# KiCad board ikafly_rev0a_p.kicad_pcb (continued)
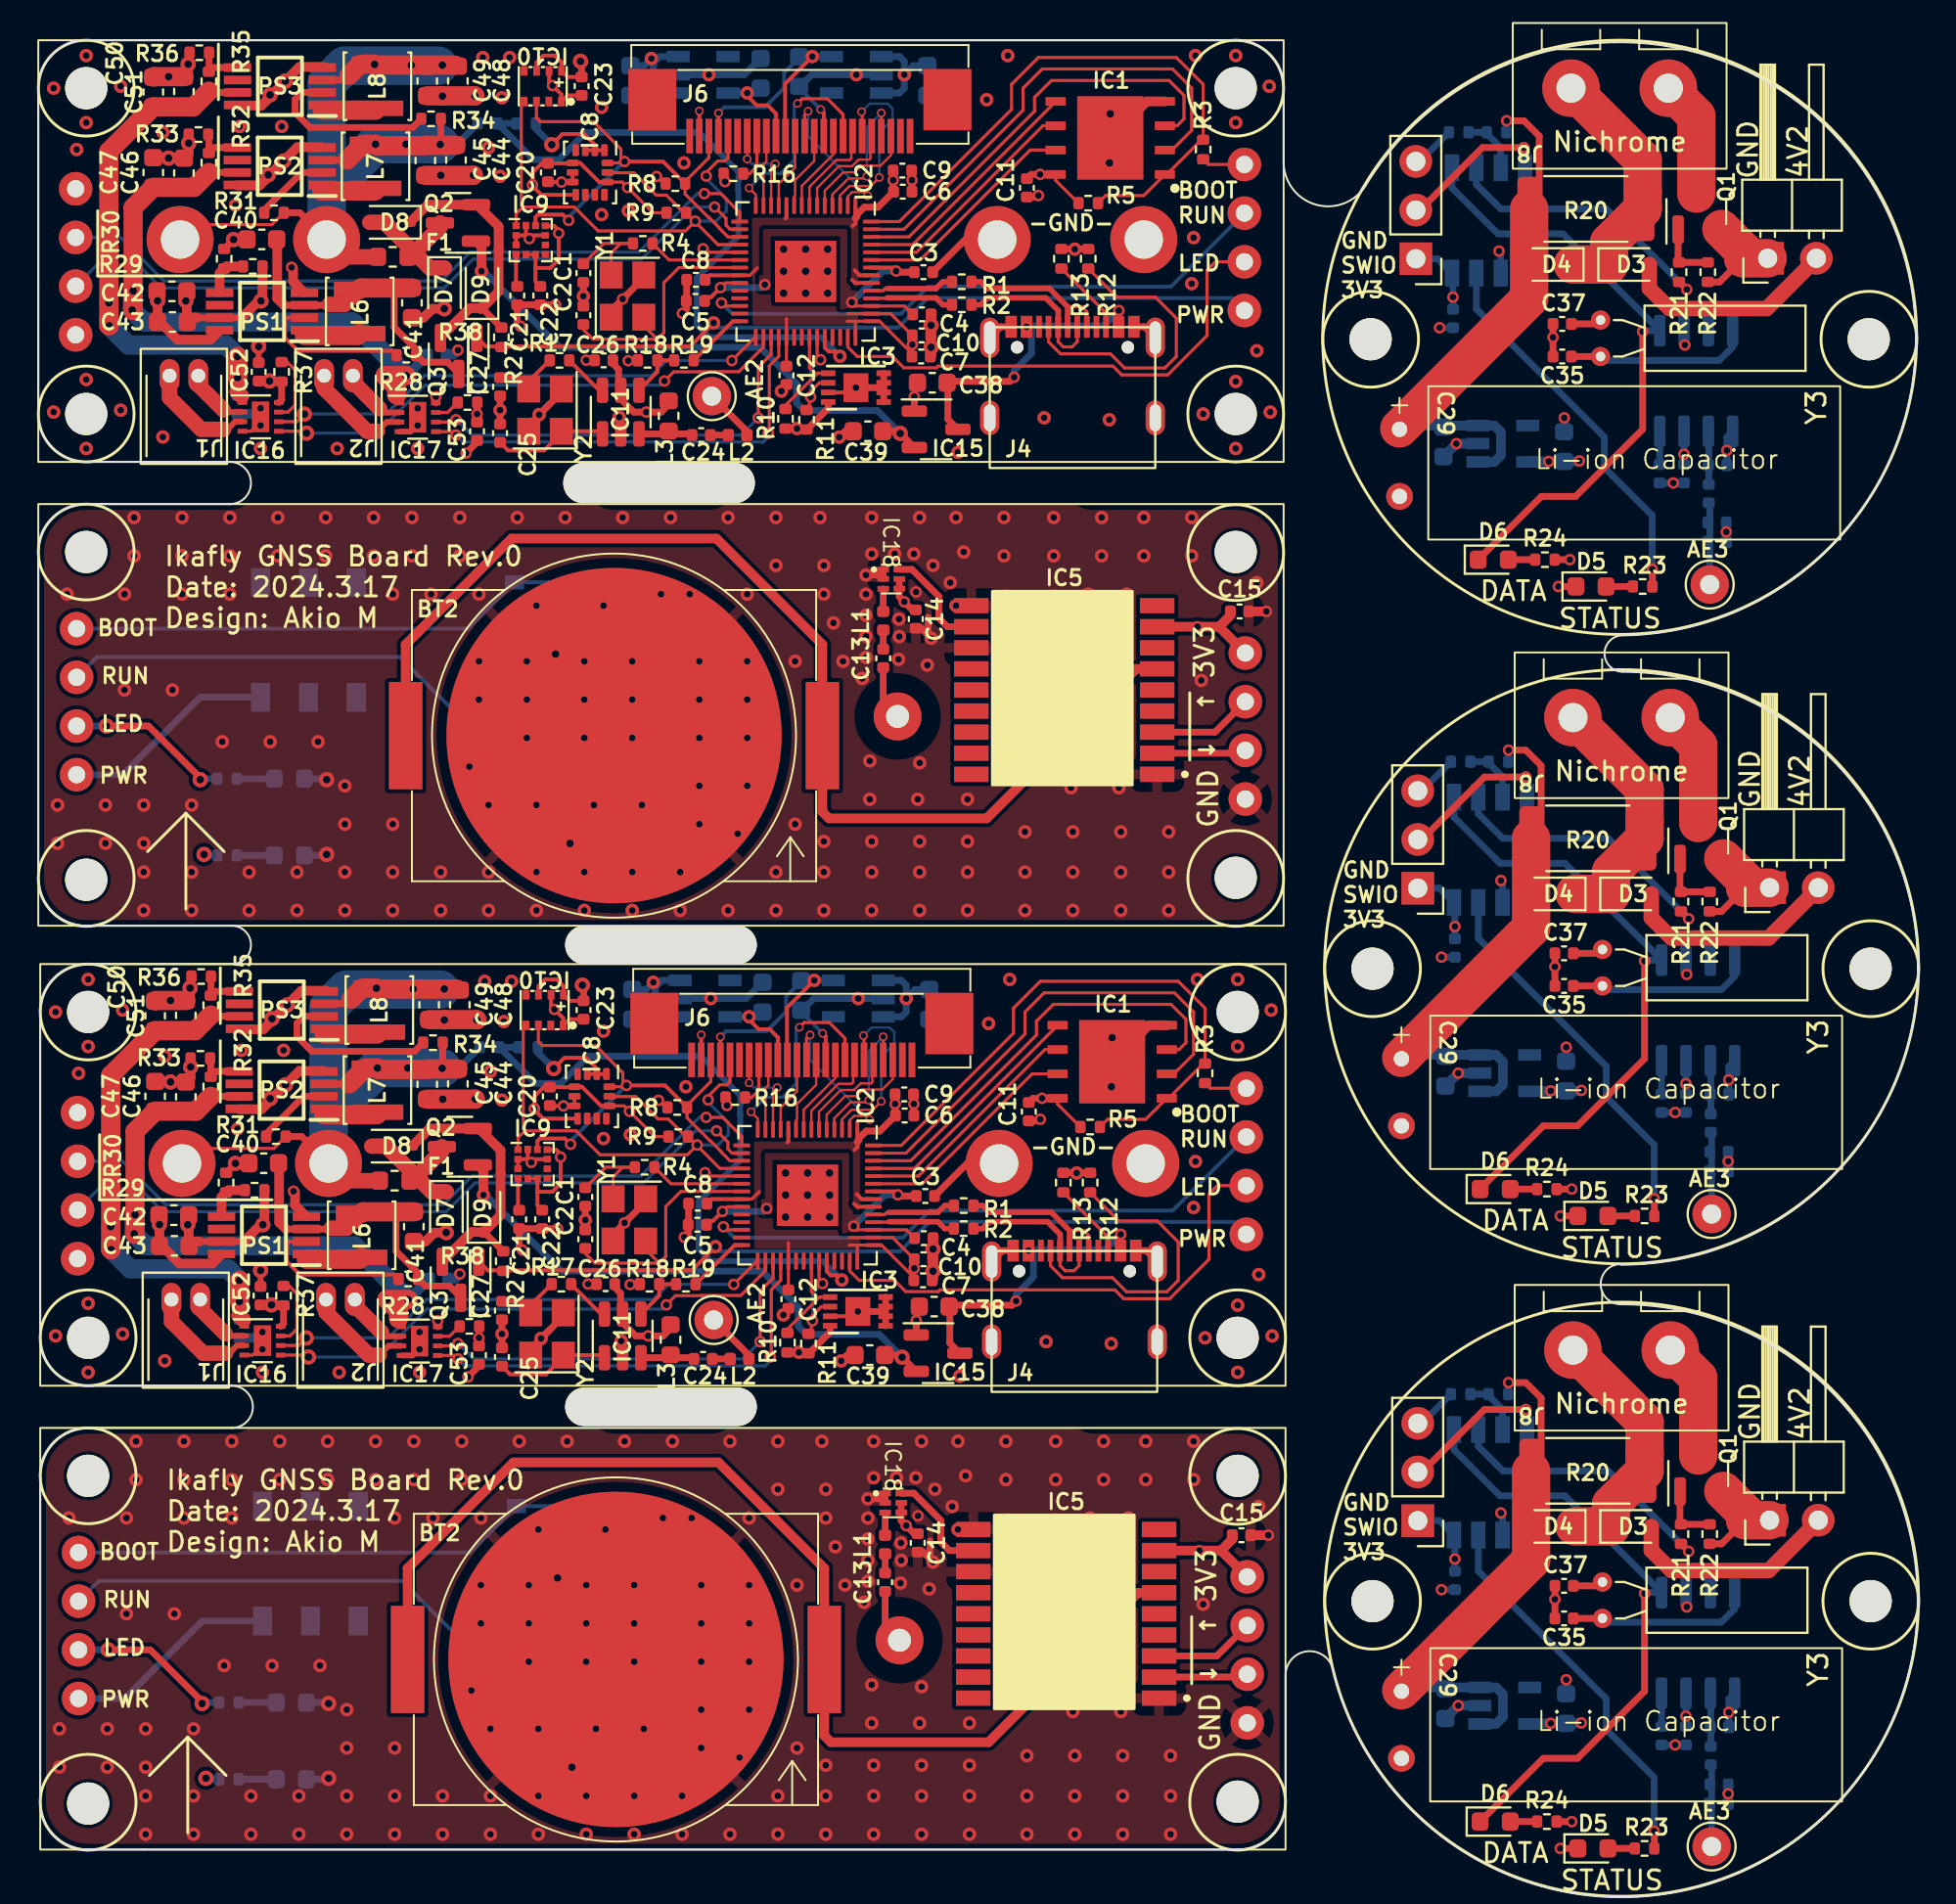
[diagram p0: board, top side]
## Routing (per net, layer and track width the routed paths; a pad name or vN(x,y) marks a point on that pad's centre or on a via; arc(x,y) is an arc through that point) (continued)
/Ikafly_Separation_Board/3V3: length 28
  Top w0.35: R24.1 v3(80.04,3.94) ; R24#2.1 v3(80.04,36.94) ; R24#3.1 v3(79.94,69.78)
  Bottom w0.35: 86,41.93 86,43.63 IC13.3 ; IC13#3.3 85.9,76.47 85.9,74.77 ; C28#2.1 73.94,51.84 IC12.4 73.14,52.64 J9#2.1 ; J9.1 73.04,85.48 IC12#3.4 73.84,84.68 C28#3.1 ; 86,8.93 86,10.63 IC13#2.3 ; C28.1 73.94,18.84 IC12#2.4 73.14,19.64 J9#3.1
  Bottom w0.5: v3(80.54,9.09) 80.51,9.07 C36#2.1 77.86,9.07 IC14#3.5 ; IC14.5 77.76,74.91 C36.1 80.41,74.91 v3(80.44,74.93) ; IC14#2.5 77.86,42.07 C36#3.1 80.51,42.07 v3(80.54,42.09)
  vias: v3(73.84,83.48) v3(73.94,50.64) v3(73.94,17.64) v3(78.84,74.91) v3(78.94,42.07) v3(78.94,9.07) v3(85.9,75.28) v3(86,42.44) v3(86,9.44)
/Ikafly_Separation_Board/4V2: length 34.5
  Top w0.8: J7#3.2 92.8,85.47 90.21,82.88 85.14,82.88 84.09,83.93 D3.2 ; J7#2.2 92.91,19.63 90.31,17.04 85.24,17.04 84.19,18.09 D3#2.2 ; D3#3.2 84.19,51.09 85.24,50.04 90.31,50.04 92.91,52.63 J7.2
/VBAT: length 107.9
  Top w0.16: BT1#2.1 8.28,39.06 12.29,39.06 R31.1 ; R31#2.1 12.19,87.26 8.18,87.26 BT1.1
  Top w0.35: R34.1 21.01,91.42 ; PS3#2.3 16.08,94.81 ; 16.14,90.63 PS2.3 ; 16.24,42.43 PS2#2.3 ; R31#2.1 13.65,87.88 BT1.1 ; PS3.3 16.18,46.61 ; R31.1 13.75,39.68 BT1#2.1 ; R34#2.1 21.11,43.22
  Top w0.8: BT1.1 15.95,85.58 F1.1 ; F1#2.1 16.05,37.38 BT1#2.1
  Top w1: 16.32,46.85 16.88,47.41 ; 16.91,95.63 17.55,95.63 ; 17.06,43.26 v2(17.7,43.26) 17.77,43.18 C45#2.1 20.32,43.21 21.9,43.21 ; 16.22,95.05 16.77,95.61 ; 16.96,91.46 v2(17.6,91.46) 17.67,91.38 C45.1 20.22,91.41 C44.1 ; 16.13,90.63 16.83,91.34 ; 17.01,47.43 17.65,47.43 ; 21.85,47.38 17.7,47.38 ; 21.75,95.58 17.6,95.58 ; 16.23,42.43 16.94,43.14
  Top w2: BT1#2.1 15.15,37.77 ; BT1.1 15.05,85.97
  Bottom w0.35: 21.06,43.26 21.95,43.26 R6#2.1 ; R6.1 21.85,91.46 20.96,91.46
  Bottom w2: 21.06,43.26 v2(17.7,43.26) 15.15,40.71 BT1#2.1 15.15,46.42 16.08,47.35 20.98,47.35 ; 20.88,95.55 15.98,95.55 15.05,94.62 BT1.1 15.05,88.91 v2(17.6,91.46) 20.96,91.46
  vias: v2(17.55,95.62) v2(17.65,47.42) v2(19.19,91.46) v2(19.29,43.26) v2(19.47,95.58) v2(19.57,47.38) v2(20.98,91.44) v2(21.09,95.58) v2(21.08,43.24) v2(21.19,47.38)
GND: length 317.7
  Top w0.16: v3(34.8,37.8) 34.98,37.62 IC2#2.19 ; IC16#2.4 11.19,28.28 11.7,28.8 IC16#2.9 ; IC2.19 34.88,85.82 v3(34.7,86) ; IC16.9 11.6,77 11.08,76.48 IC16.4
  Top w0.2: v2(26.9,43.23) 27.46,43.79 28.59,43.79 29.15,43.23 IC8.2 ; 25.56,38.5 IC9.2 IC9.3 ; 25.56,38.5 25.72,38.5 ; 25.56,38.5 25.55,38.51 IC9.12 ; 25.72,38.5 IC9.9 ; 25.72,38.5 25.73,38.49 v3(25.73,38.33) ; v4(40.84,93.27) 41,93.11 J6#2.15 ; v4(34.5,93.19) J6#2.2 ; IC3#2.7 42.42,78.51 v3(42.67,78.76) ; 13.4,36.79 13.36,36.79 v3(13.32,36.83) ; 25.62,86.7 IC9#2.9 ; 25.62,86.7 25.46,86.7 ; 25.62,86.7 25.63,86.69 v3(25.63,86.53) ; v4(34.6,44.99) J6.2 ; IC9#2.12 25.45,86.71 25.46,86.7 ; C23#2.2 27.72,45.81 IC10#2.1 27.4,45.86 26.76,46.5 IC10#2.7 ; 25.46,86.7 IC9#2.2 IC9#2.3 ; IC8.3 IC8.1 ; C20#2.1 26.62,89.48 IC8#2.7 IC8#2.6 ; C20.1 26.72,41.28 IC8.7 IC8.6 ; v3(13.22,85.03) 13.26,84.99 13.3,84.99 ; 28.36,94.01 27.62,94.01 IC10.1 27.3,94.06 26.66,94.7 IC10.7 ; J6.15 41.1,44.91 v4(40.94,45.07) ; IC8#2.3 IC8#2.1 ; IC3.7 42.52,30.31 v3(42.77,30.56) ; v2(26.8,91.43) 27.36,91.99 28.49,91.99 29.05,91.43 IC8#2.2
  Top w0.3: IC17#2.9 19.9,28.64 19.52,28.26 IC17#2.4 ; IC17.4 19.42,76.46 19.8,76.84 IC17.9 ; C52.2 v2(11.6,32.7) ; C52#2.2 v2(11.5,80.9)
  Top w0.35: v1(30.42,29.01) 30.5,28.94 IC11#2.2 ; IC15#2.1 v3(45.72,78.28) 45.72,78.88 45.92,79.08 ; R22.2 87.85,18.43 89.09,19.67 ; C9#2.2 45.58,89.6 v3(45.6,89.58) C6#2.2 ; R22#3.2 87.75,84.27 88.99,85.51 ; v1(26.24,29.15) 26.69,29.59 ; 26.69,29.59 27.4,30.31 Y2.2 ; 26.69,29.59 25.7,28.61 Y2.4 ; C1.1 C2#2.1 ; 30.8,35.38 31.7,36.28 Y1.4 ; 30.8,35.38 30.71,35.29 30.71,35.24 ; 30.8,35.38 30,34.58 Y1.2 ; J4#2.S 57.73,81.93 J4#2.12 ; v3(45.91,19.89) 45.9,19.88 45.9,19.88 ; v3(33.72,34.43) 33.92,34.63 C5#2.2 33.94,35.1 C8.2 ; D5.1 v3(79.44,2.54) ; IC3#2.3 43.88,78.76 v3(42.67,78.76) ; C35#3.2 C37#3.2 ; J4#2.1 50.23,81.93 J4#2.S ; R30#2.2 v2(10.29,38.28) 11.02,38.28 ; IC11.2 30.4,77.14 v1(30.32,77.21) ; 46.02,30.88 45.82,30.68 v3(45.82,30.08) IC15.1 ; Y2#2.2 27.3,78.51 26.59,77.79 ; v3(30.89,31.96) 30.91,31.98 R18#2.2 ; v3(28.7,31.99) 28.71,31.98 C26#2.2 ; 46.45,66.78 46.45,65.83 v1(46.6,65.68) 46.08,66.2 C14.2 ; R13.2 54.09,85.99 v1(54.1,85.98) 54.11,85.99 R12#2.2 ; C35#2.2 C37.2 ; 35.74,89.95 35.74,89.61 v3(35.84,89.5) ; 89.09,52.67 87.85,51.43 R22#2.2 ; v1(48,19.18) IC5#2.10 ; v1(41.91,27.98) 42.21,28.28 C39.2 ; C1#2.1 C2.1 ; v1(38.89,30.37) 39.15,30.64 C12#2.2 ; R18.2 30.81,80.18 v3(30.79,80.16) ; BT1#2.2 48.48,38.28 C3#2.2 ; v3(27.1,34.87) 27.09,34.88 C22.2 C21.1 25.1,33.93 v3(25.27,33.76) ; 45.8,68.08 45.8,68.08 v3(45.81,68.09) ; C8#2.2 33.84,83.3 C5.2 33.82,82.83 v3(33.62,82.63) ; Y1#2.4 31.6,84.48 30.7,83.58 ; 26.59,77.79 25.6,76.81 Y2#2.4 ; 26.59,77.79 v1(26.14,77.35) ; 30.7,83.58 29.9,82.78 Y1#2.2 ; 30.7,83.58 30.61,83.49 30.61,83.44 ; 46.55,18.58 46.55,17.63 v1(46.7,17.48) 46.18,18 C14#2.2 ; C51#2.2 7.89,95.27 R36.2 ; C11.2 52.22,40.5 v3(52.3,40.58) ; C12.2 39.05,78.84 v1(38.79,78.57) ; IC3.1 IC3.4 ; C53#2.2 22.9,75.91 v3(22.33,75.34) ; 35.84,41.75 35.84,41.41 v3(35.94,41.3) ; C35.2 C37#2.2 ; J4.S 50.33,33.73 J4.1 ; v3(22.43,27.14) 23,27.71 C53.2 ; 10.92,86.48 v2(10.19,86.48) R30.2 ; C25.2 C27#2.2 ; R12.2 54.21,37.79 v1(54.2,37.78) 54.19,37.79 R13#2.2 ; R36#2.2 7.99,47.07 C51.2 ; v1(43.2,68.98) 43.81,68.98 IC18.1 44.1,68.81 ; IC3#2.1 IC3#2.4 ; v3(28.6,80.19) 28.61,80.18 C26.2 ; J4.12 57.83,33.73 J4.S ; v3(25.17,81.96) 25,82.13 C21#2.1 C22#2.2 26.99,83.08 v3(27,83.07) ; BT1.2 48.38,86.48 C3.2 ; IC3.3 43.97,30.56 v3(42.77,30.56) ; D5#3.1 v3(79.34,68.38) ; C11#2.2 52.12,88.7 v3(52.2,88.78) ; C25#2.2 C27.2 ; v1(47.9,67.38) IC5.10 ; C6.2 v3(45.7,41.38) 45.68,41.4 C9.2 ; v1(43.3,20.78) 43.91,20.78 IC18#2.1 44.2,20.61 ; D5#2.1 v3(79.44,35.54) ; C39#2.2 42.11,76.48 v1(41.8,76.18) ; v2(6.32,35.09) 6.32,35.31 ; v2(6.22,83.29) 6.22,83.51
  Top w0.5: C4#2.2 46.6,80.42 C7#2.2 ; R33.2 7.95,42.78 C46#2.2 v2(6.9,42.53) 6.88,42.56 C47#2.2 ; v2(56.05,44.84) IC1#2.9 57.95,45.49 IC1#2.4 ; 10.49,41.11 11.65,41.11 12.1,41.55 v2(12.1,41.66) 12.18,41.66 v2(12.9,42.38) 13.62,43.11 14.91,43.11 ; 13.72,47.28 v2(12.99,46.55) 12.27,45.83 ; 14.81,91.31 13.52,91.31 v2(12.8,90.58) 12.08,89.86 v2(12,89.86) 12,89.75 11.55,89.31 10.39,89.31 ; 13.62,95.48 v2(12.89,94.75) 12.17,94.03 ; 9.56,33.53 9.09,33.06 7.37,33.06 6.45,33.98 C43#2.2 6.32,35.56 ; C7.2 46.7,32.22 C4.2 ; 10.58,45.28 11.75,45.28 12.19,45.72 ; C41#2.2 20.2,34.21 20.67,34.67 v2(21.29,34.67) ; 13.4,36.79 13.4,36.09 13.96,35.53 13.99,35.53 ; R33#2.2 7.85,90.98 C46.2 v2(6.8,90.73) 6.77,90.76 C47.2 ; 13.3,84.99 13.3,84.29 13.86,83.73 13.89,83.73 ; v2(55.95,93.04) IC1.9 57.85,93.69 IC1.4 ; v2(21.19,82.87) 20.57,82.87 20.1,82.41 19.5,82.41 ; C15.2 v3(64.1,67.08) ; C15#2.2 v3(64.2,18.88) ; 10.48,93.48 11.65,93.48 12.09,93.92 ; 13.74,47.29 15.02,47.29 ; 6.22,83.76 C43.2 6.35,82.18 7.27,81.26 8.99,81.26 9.46,81.73 ; 13.64,95.49 14.92,95.49
  Top w1: C49.2 21.19,45.78 ; 21.19,45.78 21.19,45.77 v2(21.19,45.76) ; 21.19,45.78 22.88,45.78 v2(22.89,45.77) ; 21.09,93.98 21.09,93.97 v2(21.09,93.96) ; 21.09,93.98 22.78,93.98 v2(22.79,93.97) ; 21.09,93.98 C49#2.2 ; v2(22.71,89.84) 22.7,89.83 C45.2 ; C51.2 6.12,46.78 C50.2 ; C45#2.2 22.8,41.63 v2(22.81,41.64) ; C51#2.2 6.02,94.98 C50#2.2
  Top w2: 87.95,21.19 89.09,20.05 89.09,19.67 J7#2.1 ; J7.1 89.09,52.67 89.09,53.05 87.95,54.19 ; J7#3.1 88.99,85.51 88.99,85.89 87.85,87.03
  Bottom w0.2: v4(40.94,45.07) 39.8,46.21 ; v4(40.84,93.27) 39.7,94.41
  Bottom w0.35: IC12.2 76.43,52.95 v3(76.34,53.04) ; 39.7,94.41 40.38,95.08 v1(42.7,95.08) IC6#2.2 ; R26#2.2 72.11,90.56 J9.3 ; C28#3.2 v3(73.14,81.88) ; D2#2.1 15,54.35 v2(15.05,54.4) ; L5.2 88.13,76.17 IC13#3.1 ; L4#2.2 88.21,38.88 C30#2.2 ; 38.05,47.73 C19.2 36.95,46.88 IC7#2.2 ; C30#3.2 88.21,5.88 L4.2 ; D1#2.1 15,58.35 v2(15.05,58.3) ; R26#3.2 72.21,24.72 J9#3.3 ; D2.1 15.1,6.15 v2(15.15,6.2) ; J9#2.3 72.21,57.72 R26.2 ; 39.8,46.21 40.47,46.88 v1(42.8,46.88) IC6.2 ; 26.79,91.42 v2(26.8,91.43) 25.97,92.26 R7#2.2 ; C33#2.2 C32#3.2 ; 79.74,10.62 79.74,11.33 v3(79.75,11.34) ; R7.2 26.07,44.06 v2(26.9,43.23) 26.89,43.22 ; v3(76.24,85.88) 76.33,85.79 IC12#3.2 ; v3(79.65,77.18) 79.64,77.17 79.64,76.46 ; v3(86.04,15.14) 86,15.18 IC13#2.6 ; IC13.6 86,48.18 v3(86.04,48.14) ; S1#2.D1 S1#2.C1 ; C33#3.2 C32.2 ; D1.1 15.1,10.15 v2(15.15,10.1) ; S2#2.C1 S2#2.D1 ; C36#3.2 79.74,44.33 v3(79.75,44.34) ; v3(76.34,20.04) 76.43,19.95 IC12#2.2 ; L5#3.2 88.23,43.33 IC13.1 ; C33.2 C32#2.2 ; IC13#2.1 88.23,10.33 L5#2.2 ; L4#3.2 88.11,71.72 C30.2 ; S1.D1 S1.C1 ; IC7.2 36.85,95.08 C19#2.2 37.95,95.93 ; S2.C1 S2.D1 ; IC13#3.6 85.9,81.02 v3(85.94,80.98) ; C28#2.2 v3(73.24,49.04) ; C28.2 v3(73.24,16.04)
  Bottom w0.5: C34#3.2 v3(74.11,42.99) IC14#2.2 ; C55#2.2 21.67,80.48 v3(21.9,80.71) ; C34.2 v3(74.11,9.99) IC14#3.2 ; C34#2.2 v3(74.01,75.83) IC14.2 ; C55.2 21.77,32.28 v3(22,32.51) ; v3(11.7,29.48) 11.4,29.18 C54.2 ; v3(11.6,77.68) 11.3,77.38 C54#2.2
  vias: v1(0.8,94.38) v1(0.8,77.48) v1(0.9,46.18) v1(0.9,29.28) v1(1,56.98) v1(1,54.98) v1(1.1,8.78) v1(1.1,6.78) v1(1.5,67.98) v1(1.6,19.78) v1(2,91.18) v1(2.1,42.98) v1(2.5,96.08) v1(2.5,92.58) v1(2.5,79.18) v1(2.5,75.58) v1(2.6,47.88) v1(2.6,44.38) v1(2.6,30.98) v1(2.6,27.38) v1(3.5,56.98) v1(3.5,54.98) v1(3.6,8.78) v1(3.6,6.78) v1(4.3,94.48) v1(4.3,77.58) v1(4.4,46.28) v1(4.4,29.38) v1(4.5,67.98) v1(4.5,62.98) v1(4.6,19.78) v1(4.6,14.78) v1(5,71.98) v1(5,69.98) v1(5.1,23.78) v1(5.1,21.78) v1(5.5,56.98) v1(5.5,54.98) v1(5.5,53.48) v1(5.5,51.48) v1(5.6,8.78) v1(5.6,6.78) v1(5.6,5.28) v1(5.6,3.28) v1(6.5,92.08) v1(6.5,76.18) v1(6.6,43.88) v1(6.6,27.98) v1(7,62.98) v1(7.1,14.78) v1(7.5,71.98) v1(7.5,69.98) v1(7.5,67.98) v1(7.6,23.78) v1(7.6,21.78) v1(7.6,19.78) v1(8,56.98) v1(8,53.48) v1(8,51.48) v1(8.1,8.78) v1(8.1,5.28) v1(8.1,3.28) v1(9.6,60.28) v1(9.7,12.08) v1(10,71.98) v1(10,69.98) v1(10,67.98) v1(10.1,23.78) v1(10.1,21.78) v1(10.1,19.78) v1(10.3,88.28) v1(10.4,40.08) v1(10.5,92.38) v1(10.6,44.18) v1(11,53.48) v1(11,51.48) v1(11.1,5.28) v1(11.1,3.28) v1(11.6,75.58) v1(11.7,27.38) v1(12.1,60.28) v1(12.2,12.08) v1(12.5,71.98) v1(12.5,69.98) v1(12.6,23.78) v1(12.6,21.78) v1(12.7,92.38) v1(12.8,44.18) v1(13.5,53.48) v1(13.5,51.48) v1(13.6,5.28) v1(13.6,3.28) v1(14.6,60.28) v1(14.7,12.08) v1(15,71.98) v1(15,69.98) v1(15.1,23.78) v1(15.1,21.78) v1(15.6,75.58) v1(15.7,27.38) v1(16,57.98) v1(16,55.98) v1(16,53.48) v1(16,51.48) v1(16.1,9.78) v1(16.1,7.78) v1(16.1,5.28) v1(16.1,3.28) v1(17.5,71.98) v1(17.5,69.98) v1(17.6,23.78) v1(17.6,21.78) v1(18.5,67.98) v1(18.5,55.98) v1(18.5,53.48) v1(18.5,51.48) v1(18.6,19.78) v1(18.6,7.78) v1(18.6,5.28) v1(18.6,3.28) v1(19.5,71.98) v1(19.5,69.98) v1(19.6,23.78) v1(19.6,21.78) v1(19.8,75.58) v1(19.9,27.38) v1(20.5,67.98) v1(20.6,19.78) v1(21,53.48) v1(21,51.48) v1(21.1,5.28) v1(21.1,3.28) v1(22,71.98) v1(22,69.98) v1(22.1,23.78) v1(22.1,21.78) v1(22.5,58.98) v1(22.6,10.78) v1(23,67.98) v1(23,64.48) v1(23,62.48) v1(23.1,19.78) v1(23.1,16.28) v1(23.1,14.28) v1(23.2,95.98) v1(23.3,47.78) v1(23.5,91.28) v1(23.5,56.98) v1(23.5,53.48) v1(23.5,51.48) v1(23.6,43.08) v1(23.6,8.78) v1(23.6,5.28) v1(23.6,3.28) v1(24.1,89.78) v1(24.1,77.58) v1(24.2,93.88) v1(24.2,41.58) v1(24.2,29.38) v1(24.3,45.68) v1(24.6,95.98) v1(24.7,47.78) v1(25,71.98) v1(25.1,23.78) v1(25.5,64.48) v1(25.5,62.48) v1(25.5,60.48) v1(25.6,16.28) v1(25.6,14.28) v1(25.6,12.28) v1(26,67.38) v1(26,56.98) v1(26,53.48) v1(26,51.48) v1(26.1,19.18) v1(26.1,8.78) v1(26.1,5.28) v1(26.1,3.28) v1(27.5,71.98) v1(27.6,23.78) v1(28.45,83.53) v1(28.5,64.48) v1(28.5,62.48) v1(28.5,60.48) v1(28.5,53.48) v1(28.5,51.48) v1(28.55,35.33) v1(28.6,16.28) v1(28.6,14.28) v1(28.6,12.28) v1(28.6,5.28) v1(28.6,3.28) v1(29,56.98) v1(29.1,8.78) v1(29.4,93.38) v1(29.4,87.78) v1(29.5,67.38) v1(29.5,45.18) v1(29.5,39.58) v1(29.6,19.18) v1(30.5,71.98) v1(30.6,23.78) v1(30.8,87.98) v1(30.9,39.78) v1(31,64.48) v1(31,62.48) v1(31,60.48) v1(31,53.48) v1(31,51.48) v1(31.1,16.28) v1(31.1,14.28) v1(31.1,12.28) v1(31.1,5.28) v1(31.1,3.28) v1(31.5,56.98) v1(31.6,8.78) v1(32.5,67.98) v1(32.6,19.78) v1(33,71.98) v1(33.1,23.78) v1(33.5,53.48) v1(33.5,51.48) v1(33.6,5.28) v1(33.6,3.28) v1(33.7,90.48) v1(33.8,42.28) v1(34,67.98) v1(34.1,19.78) v1(34.5,64.48) v1(34.5,62.48) v1(34.5,60.48) v1(34.5,57.98) v1(34.5,55.98) v1(34.6,16.28) v1(34.6,14.28) v1(34.6,12.28) v1(34.6,9.78) v1(34.6,7.78) v1(35,95.08) v1(35.1,46.88) v1(36,71.98) v1(36,51.48) v1(36.1,23.78) v1(36.1,3.28) v1(36.5,55.48) v1(36.6,7.28) v1(37,67.98) v1(37,64.48) v1(37,62.48) v1(37,60.48) v1(37,57.98) v1(37.1,19.78) v1(37.1,16.28) v1(37.1,14.28) v1(37.1,12.28) v1(37.1,9.78) v1(38.5,71.98) v1(38.5,69.48) v1(38.5,53.48) v1(38.5,51.48) v1(38.6,23.78) v1(38.6,21.28) v1(38.6,5.28) v1(38.6,3.28) v1(39.5,64.48) v1(39.5,55.98) v1(39.6,16.28) v1(39.6,7.78) v1(40.8,71.98) v1(40.9,23.78) v1(41,69.48) v1(41,67.98) v1(41,55.08) v1(41,53.48) v1(41,51.48) v1(41.1,21.28) v1(41.1,19.78) v1(41.1,6.88) v1(41.1,5.28) v1(41.1,3.28) v1(41.5,66.48) v1(41.6,18.28) v1(42,64.48) v1(42.1,16.28) v1(43,63.58) v1(43.1,15.38) v1(43.2,67.98) v1(43.2,66.88) v1(43.2,65.78) v1(43.2,64.68) v1(43.3,19.78) v1(43.3,18.68) v1(43.3,17.58) v1(43.3,16.48) v1(43.4,59.28) v1(43.4,57.28) v1(43.5,71.98) v1(43.5,70.08) v1(43.5,55.08) v1(43.5,53.48) v1(43.5,51.48) v1(43.5,11.08) v1(43.5,9.08) v1(43.6,23.78) v1(43.6,21.88) v1(43.6,6.88) v1(43.6,5.28) v1(43.6,3.28) v1(44.7,70.08) v1(44.8,21.88) v1(44.93,66.68) v1(44.94,65.77) v1(44.9,64.58) v1(45.03,18.48) v1(45.04,17.57) v1(45,16.38) v1(45.7,70.08) v1(45.8,21.88) v1(45.9,57.28) v1(46,71.98) v1(46,59.18) v1(46,55.08) v1(46,53.48) v1(46,51.48) v1(46,9.08) v1(46.1,23.78) v1(46.1,10.98) v1(46.1,6.88) v1(46.1,5.28) v1(46.1,3.28) v1(46.4,64.28) v1(46.5,16.08) v1(46.7,69.48) v1(46.8,21.28) v1(47.6,68.58) v1(47.7,20.38) v1(47.9,71.98) v1(48,75.38) v1(48,23.78) v1(48.1,27.18) v1(48.3,70.18) v1(48.4,21.98) v1(48.5,57.28) v1(48.5,55.08) v1(48.5,53.48) v1(48.5,51.48) v1(48.6,9.08) v1(48.6,6.88) v1(48.6,5.28) v1(48.6,3.28) v1(49.5,93.78) v1(49.6,45.58) v1(50.4,71.98) v1(50.4,69.98) v1(50.5,67.88) v1(50.5,65.88) v1(50.5,63.68) v1(50.5,61.68) v1(50.5,59.48) v1(50.5,23.78) v1(50.5,21.78) v1(50.6,96.08) v1(50.6,19.68) v1(50.6,17.68) v1(50.6,15.48) v1(50.6,13.48) v1(50.6,11.28) v1(50.7,47.88) v1(51.5,55.58) v1(51.5,53.48) v1(51.5,51.48) v1(51.6,7.38) v1(51.6,5.28) v1(51.6,3.28) v1(52.5,77.18) v1(52.6,28.98) v1(53,71.98) v1(53,69.98) v1(53,67.88) v1(53,65.88) v1(53,63.68) v1(53,61.68) v1(53.1,23.78) v1(53.1,21.78) v1(53.1,19.68) v1(53.1,17.68) v1(53.1,15.48) v1(53.1,13.48) v1(53.9,57.88) v1(54,55.58) v1(54,53.48) v1(54,51.48) v1(54,9.68) v1(54.1,7.38) v1(54.1,5.28) v1(54.1,3.28) v1(54.8,67.98) v1(54.8,65.88) v1(54.8,63.68) v1(54.9,19.78) v1(54.9,17.68) v1(54.9,15.48) v1(55.5,71.98) v1(55.5,69.98) v1(55.6,23.78) v1(55.6,21.78) v1(55.9,77.08) v1(56,28.88) v1(56.4,60.08) v1(56.4,57.88) v1(56.5,55.58) v1(56.5,53.48) v1(56.5,51.48) v1(56.5,11.88) v1(56.5,9.68) v1(56.6,61.68) v1(56.6,7.38) v1(56.6,5.28) v1(56.6,3.28) v1(56.7,13.48) v1(56.8,67.98) v1(56.8,65.88) v1(56.9,19.78) v1(56.9,17.68) v1(57.7,71.98) v1(57.7,69.98) v1(57.8,23.78) v1(57.8,21.78) v1(59,55.58) v1(59,53.48) v1(59,51.48) v1(59.1,7.38) v1(59.1,5.28) v1(59.1,3.28) v1(60.2,84.18) v1(60.2,71.98) v1(60.2,69.98) v1(60.3,86.58) v1(60.3,35.98) v1(60.3,23.78) v1(60.3,21.78) v1(60.4,96.08) v1(60.4,38.38) v1(60.5,47.88) v1(60.7,63.48) v1(60.8,77.38) v1(60.8,15.28) v1(60.9,29.18) v1(62.5,96.08) v1(62.5,92.58) v1(62.5,79.08) v1(62.5,75.58) v1(62.6,47.88) v1(62.6,44.38) v1(62.6,30.88) v1(62.6,27.38) v1(63.6,80.68) v1(63.6,68.58) v1(63.7,32.48) v1(63.7,20.38) v1(64.25,94.48) v1(64.3,77.48) v1(64.35,46.28) v1(64.4,29.28) v2(6.8,94.98) v2(6.9,46.78) v2(7.82,95.63) v2(7.85,91.51) v2(7.92,47.43) v2(7.95,43.31) v2(12.09,94.03) v2(12.19,45.83) v2(21.01,89.83) v2(21.11,41.63) v2(27,64.85) v2(27.1,16.65) v2(27.75,54.98) v2(27.85,6.78) v2(38.9,85.98) v2(38.9,84.83) v2(38.9,83.68) v2(39,37.78) v2(39,36.63) v2(39,35.48) v2(40.05,85.98) v2(40.05,84.83) v2(40.05,83.68) v2(40.15,37.78) v2(40.15,36.63) v2(40.15,35.48) v2(41.2,85.98) v2(41.2,84.83) v2(41.2,83.68) v2(41.3,37.78) v2(41.3,36.63) v2(41.3,35.48) v2(46.6,82.01) v2(46.6,80.86) v2(46.7,33.81) v2(46.7,32.66) v2(55.91,90.48) v2(56.01,42.28) v3(11.6,76.78) v3(11.7,28.58) v3(19.8,77.68) v3(19.8,76.78) v3(19.9,29.48) v3(19.9,28.58) v3(26.84,94.52) v3(26.94,46.32) v3(27.31,89.48) v3(27.41,41.28) v3(30.5,83.38) v3(30.6,35.18) v3(79.06,81.38) v3(79.16,48.54) v3(79.16,15.54) v3(85.34,73.78) v3(85.44,40.94) v3(85.44,7.94) v3(88.13,75.48) v3(88.11,71.23) v3(88.23,42.64) v3(88.21,38.39) v3(88.23,9.64) v3(88.21,5.39)
/Ikafly_Camera/D2: length 20
  Top w0.12: IC2#2.3 41.95,40.58 42.44,41.08 43.55,41.08 v4(44,41.52) ; v4(43.9,89.72) 43.45,89.28 42.34,89.28 41.85,88.78 IC2.3
  Top w0.16: v4(43.07,44.95) 43.1,44.92 J6.19 ; J6#2.19 43,93.12 v4(42.97,93.15)
  Bottom w0.12: v4(44,41.52) 44,43.85 44.68,44.54 44.68,45.13 44.44,45.37 43.49,45.37 v4(43.07,44.95) ; v4(42.97,93.15) 43.39,93.57 44.33,93.57 44.58,93.33 44.58,92.74 43.9,92.05 v4(43.9,89.72)
/Ikafly_Camera/D3: length 15.2
  Top w0.12: v4(43.25,89.78) 43.14,89.67 42.28,89.67 41.45,88.84 IC2.4 ; v4(43.35,41.58) 43.24,41.47 42.38,41.47 41.55,40.64 IC2#2.4
  Top w0.16: v4(44,93.09) J6#2.21 ; v4(44.1,44.89) J6.21
  Bottom w0.12: v4(44,93.09) 43.25,92.34 v4(43.25,89.78) ; v4(44.1,44.89) 43.35,44.14 v4(43.35,41.58)
/Ikafly_Camera/D4: length 12
  Top w0.12: J6#2.22 44.5,90.88 43.96,90.34 42.96,90.34 42.61,89.99 42.01,89.99 41.05,89.03 IC2.5 ; J6.22 44.6,42.68 44.06,42.14 43.06,42.14 42.71,41.79 42.11,41.79 41.15,40.83 IC2#2.5
/Ikafly_Camera/D5: length 11.1
  Top w0.12: J6#2.20 43.44,91.82 43.44,90.72 43.37,90.66 42.82,90.66 42.82,90.65 42.48,90.31 41.79,90.31 40.65,89.17 IC2.6 ; IC2#2.6 40.75,40.97 41.89,42.11 42.58,42.11 42.92,42.45 42.92,42.46 43.47,42.46 43.53,42.52 43.53,43.62 J6.20
/Ikafly_Camera/D6: length 9.9
  Top w0.12: J6#2.18 42.44,91.82 42.44,90.72 42.34,90.63 41.65,90.63 40.25,89.23 IC2.7 ; J6.18 42.53,43.62 42.53,42.52 42.44,42.43 41.75,42.43 40.35,41.03 IC2#2.7
/Ikafly_Camera/D7: length 8.6
  Top w0.12: J6#2.16 41.5,90.93 39.85,89.28 IC2.8 ; IC2#2.8 39.95,41.08 41.6,42.73 J6.16
/Ikafly_Camera/D8: length 8.1
  Top w0.12: J6.14 40.6,42.38 39.6,41.38 39.6,40.58 39.55,40.53 IC2#2.9 ; IC2.9 39.45,88.73 39.5,88.78 39.5,89.58 40.5,90.58 J6#2.14
/Ikafly_Camera/D9: length 8
  Top w0.12: IC2.11 38.65,89.39 39.5,90.24 J6#2.12 ; IC2#2.11 38.75,41.19 39.6,42.04 J6.12
/Ikafly_Camera/EXCLK: length 17.5
  Top w0.12: IC2#2.2 42.35,40.53 42.57,40.76 43.2,40.76 v4(43.39,40.57) ; v4(43.29,88.77) 43.1,88.96 42.47,88.96 42.25,88.73 IC2.2
  Top w0.16: v4(40.28,44.98) 40.1,44.8 J6.13 ; v4(40.18,93.18) 40,93 J6#2.13
  Bottom w0.12: v4(43.29,88.77) 40.18,91.87 v4(40.18,93.18) ; v4(43.39,40.57) 40.28,43.67 v4(40.28,44.98)
/Ikafly_Camera/HREF: length 7.4
  Top w0.12: IC2.13 37.85,90.41 38,90.56 J6#2.9 ; J6.9 38.1,42.36 37.95,42.21 IC2#2.13
/Ikafly_Camera/PCLK: length 22.2
  Top w0.12: v4(37.1,89.17) 37.45,88.82 IC2.14 ; v4(37.2,40.97) 37.55,40.62 IC2#2.14
  Top w0.16: J6#2.17 42,93.02 41.19,93.83 39.87,93.83 v4(39.63,93.58) ; v4(39.73,45.38) 39.97,45.63 41.28,45.63 42.1,44.82 J6.17
  Bottom w0.12: v4(39.73,45.38) 39.55,45.38 ; v4(39.63,93.58) 39.45,93.58
  Bottom w0.16: v4(37.2,40.97) 37.96,41.73 38.85,41.73 39.55,42.43 39.55,45.38 ; 39.45,93.58 39.45,90.63 38.75,89.93 37.86,89.93 v4(37.1,89.17)
/Ikafly_Camera/SCL: length 63.6
  Top w0.16: v3(34.86,89.79) 34.86,89.98 35.46,90.58 35.83,90.58 36,90.75 J6#2.5 ; 25.4,39.98 28.07,39.98 29.32,38.73 33.88,38.73 v3(34.39,39.24) ; 25.4,39.98 25.04,39.62 IC9.1 ; 25.4,39.98 25.31,40.07 25.31,45.34 IC10#2.4 ; v3(34.29,87.44) 33.78,86.93 29.22,86.93 27.97,88.18 25.3,88.18 ; IC8.13 29.82,41.77 31.09,41.77 31.09,41.77 31.18,41.77 32.35,40.6 32.88,40.6 33.8,39.68 R9.2 35.57,38.02 IC2#2.18 ; IC10.4 25.21,93.54 25.21,88.27 25.3,88.18 ; 25.3,88.18 24.94,87.82 IC9#2.1 ; IC2.18 35.47,86.22 R9#2.2 33.7,87.88 32.78,88.8 32.25,88.8 31.08,89.97 30.99,89.97 30.99,89.97 29.72,89.97 IC8#2.13 ; v3(34.96,41.59) 34.96,41.78 35.56,42.38 35.94,42.38 36.1,42.55 J6.5
  Bottom w0.16: v3(34.29,87.44) 35.38,87.44 35.91,87.97 35.91,88.62 34.86,89.66 v3(34.86,89.79) ; v3(34.39,39.24) 35.48,39.24 36.01,39.77 36.01,40.42 34.96,41.46 v3(34.96,41.59)
/Ikafly_Camera/SDA: length 50.4
  Top w0.16: 30.41,90.48 30.41,91.21 28.98,92.63 26.2,92.63 26,92.83 IC10.3 ; 30.41,90.48 30.53,90.48 v3(30.6,90.55) ; 30.41,90.48 IC8#2.14 ; 30.51,42.28 30.63,42.28 v3(30.7,42.35) ; 30.51,42.28 IC8.14 ; 30.51,42.28 30.51,43.01 29.08,44.43 26.3,44.43 26.1,44.63 IC10#2.3 ; J6#2.3 35,90.75 33.76,89.51 R8#2.2 33.76,88.86 34.97,87.64 35,87.64 35.53,87.11 35.53,87.08 36,86.62 IC2.17 ; IC2#2.17 36.1,38.42 35.63,38.88 35.63,38.91 35.1,39.44 35.07,39.44 33.86,40.66 R8.2 33.86,41.31 35.1,42.55 J6.3
  Top w0.2: IC9.11 26.05,39.45 26.18,39.58 27.48,39.58 v3(27.78,39.28) ; v3(30.6,90.55) 32.61,90.55 R8#2.2 ; v3(27.68,87.48) 27.38,87.78 26.08,87.78 25.95,87.65 IC9#2.11 ; v3(30.7,42.35) 32.71,42.35 R8.2
  Bottom w0.2: v3(30.6,90.55) 30.58,90.55 27.68,87.65 v3(27.68,87.48) ; v3(27.78,39.28) 27.78,39.45 30.68,42.35 v3(30.7,42.35)
/Ikafly_Camera/VSYNC: length 10
  Top w0.12: 37,90.79 J6#2.7 ; v4(38.47,90.44) 38.36,90.44 38.25,90.33 IC2.12 ; v4(38.57,42.24) 38.46,42.24 38.35,42.13 IC2#2.12 ; 37.1,42.59 J6.7
  Bottom w0.12: v4(37,90.68) 37.25,90.44 v4(38.47,90.44) ; v4(38.57,42.24) 37.35,42.24 v4(37.1,42.48)
/Ikafly_GNSS/BOOT: length 64.2